# Altium PCB HumiTemPM.PcbDoc (part 1 of 2)
Units mm, origin at the board's own origin, x right, y up, seen from the top; angles counter-clockwise.
Board outline 55.25 x 79.13 mm, 2 copper layers (Top Layer, Bottom Layer); 95 components, 85 nets, 387 pads, 352 vias.
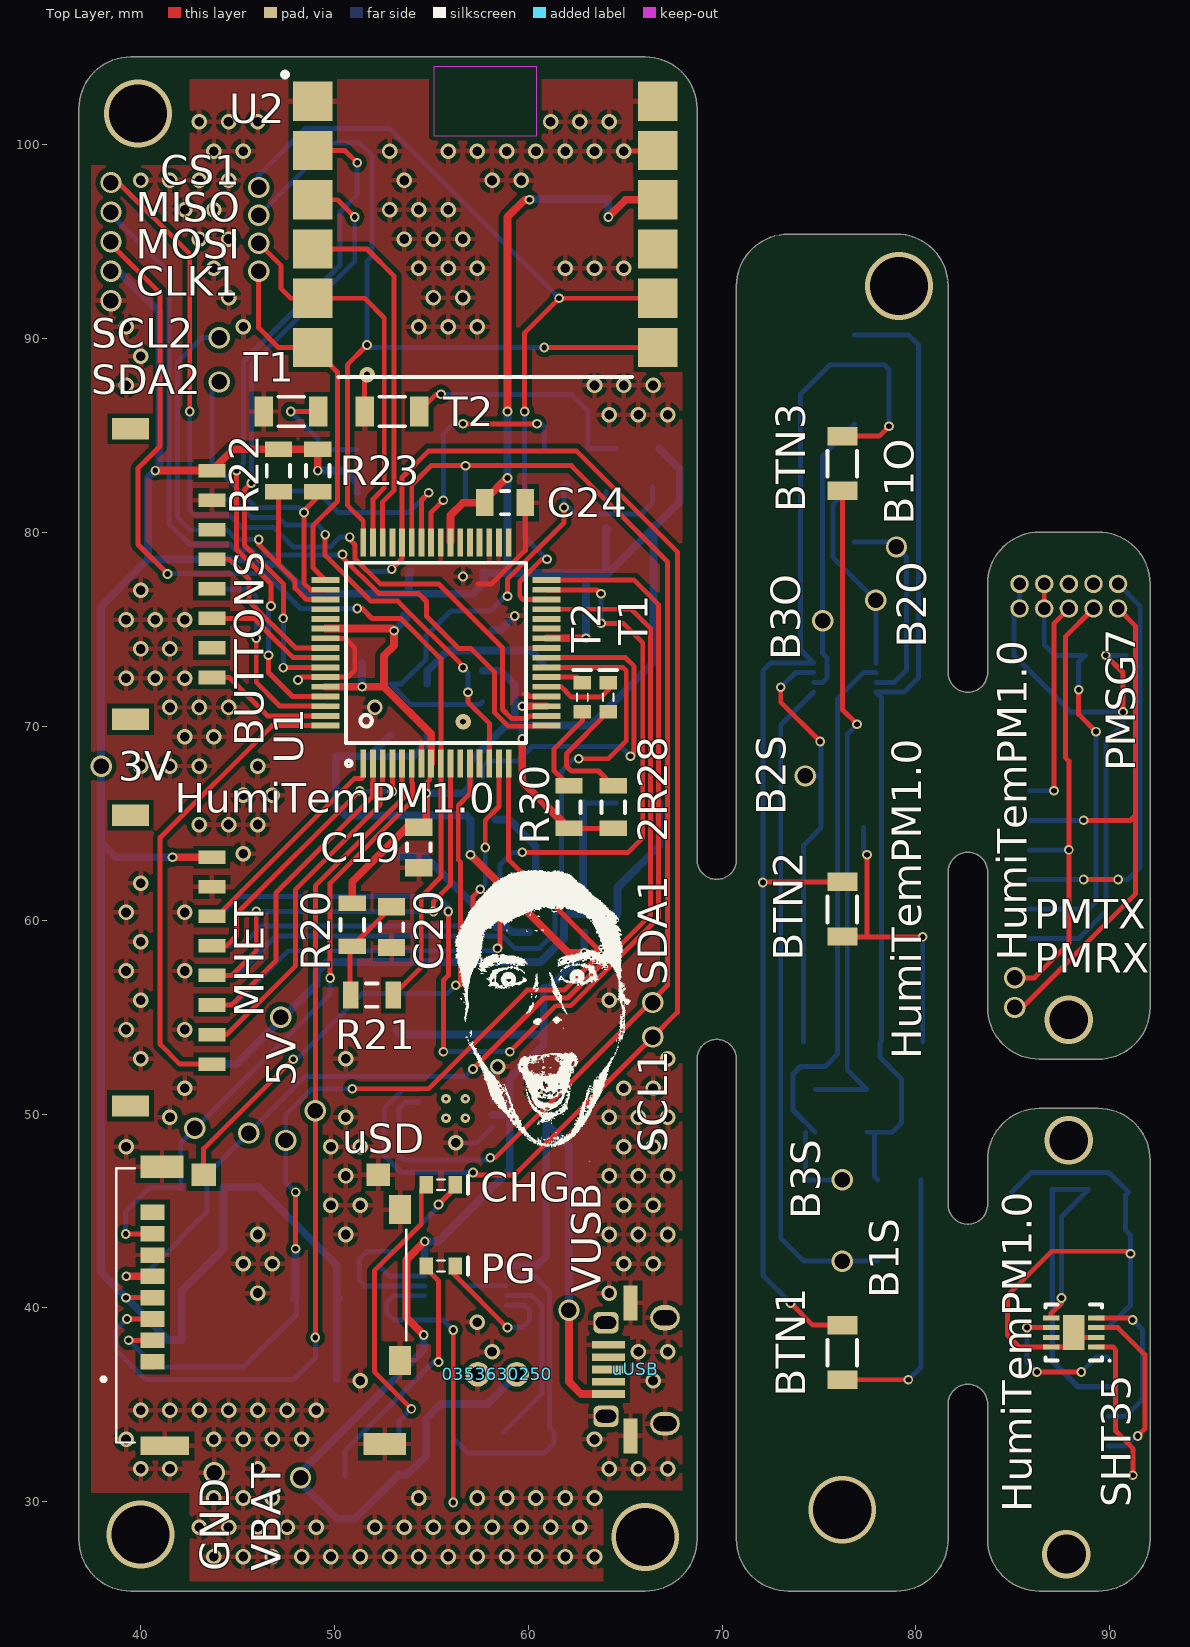
[diagram p0: Top Layer view]
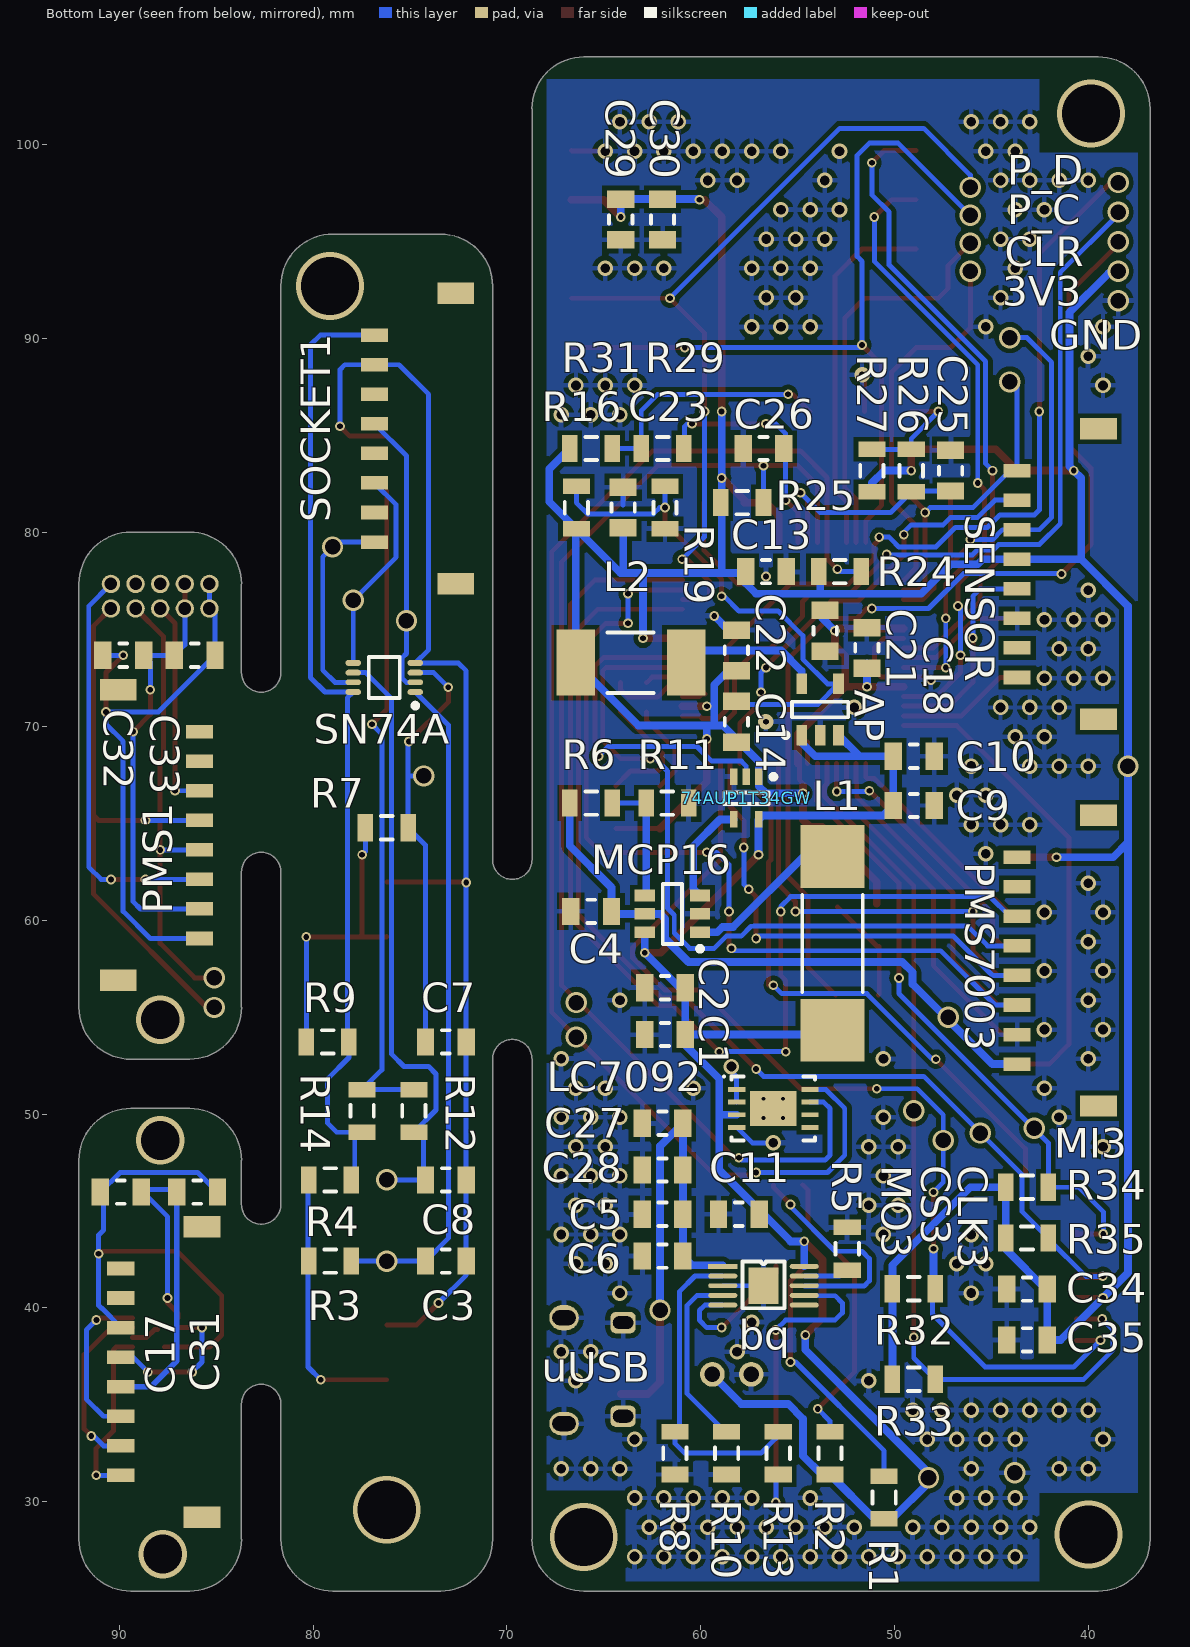
[diagram p1: Bottom Layer view, seen from below]
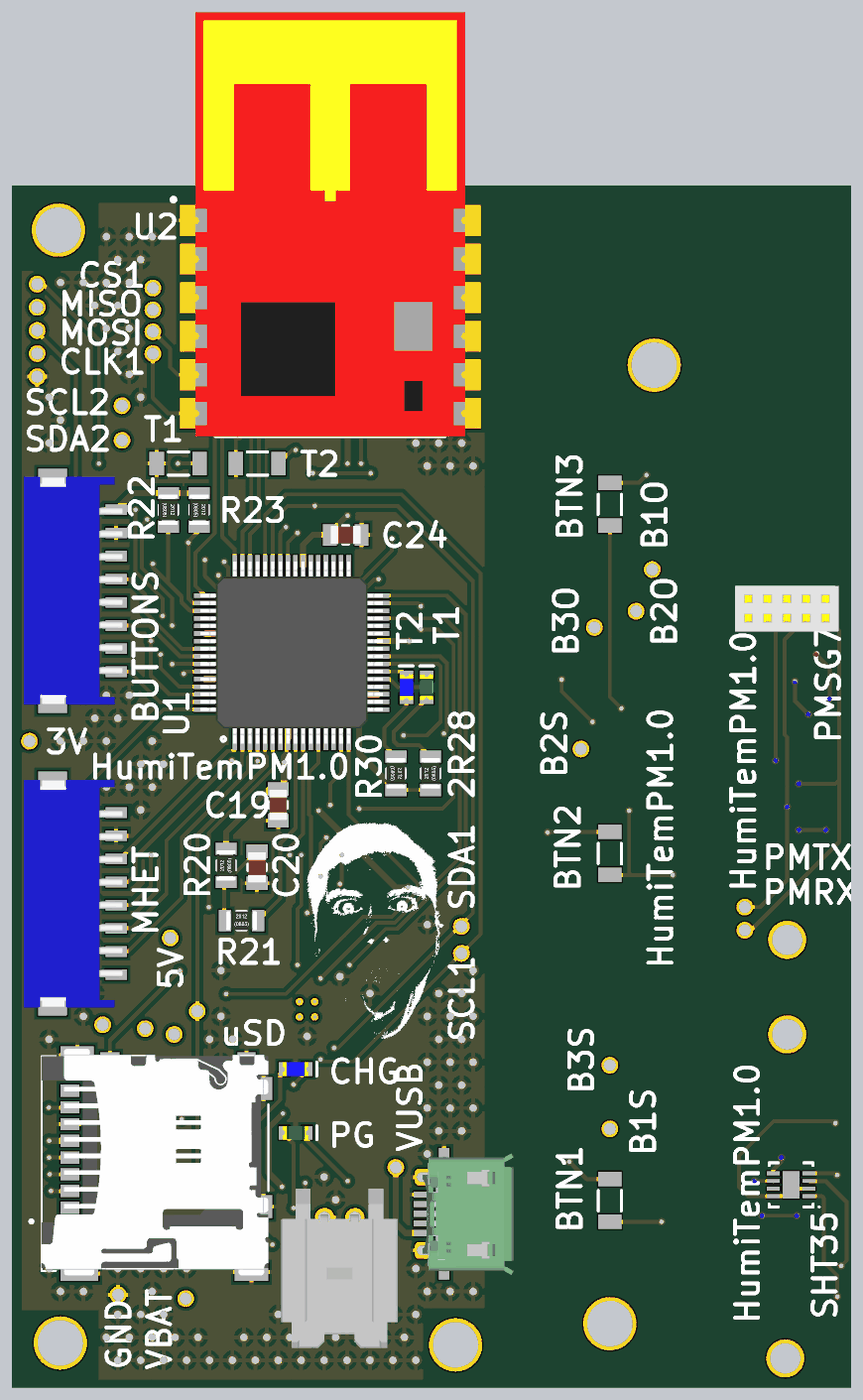
[diagram p3: 3D render of the assembled board from above, using the file's embedded part models]
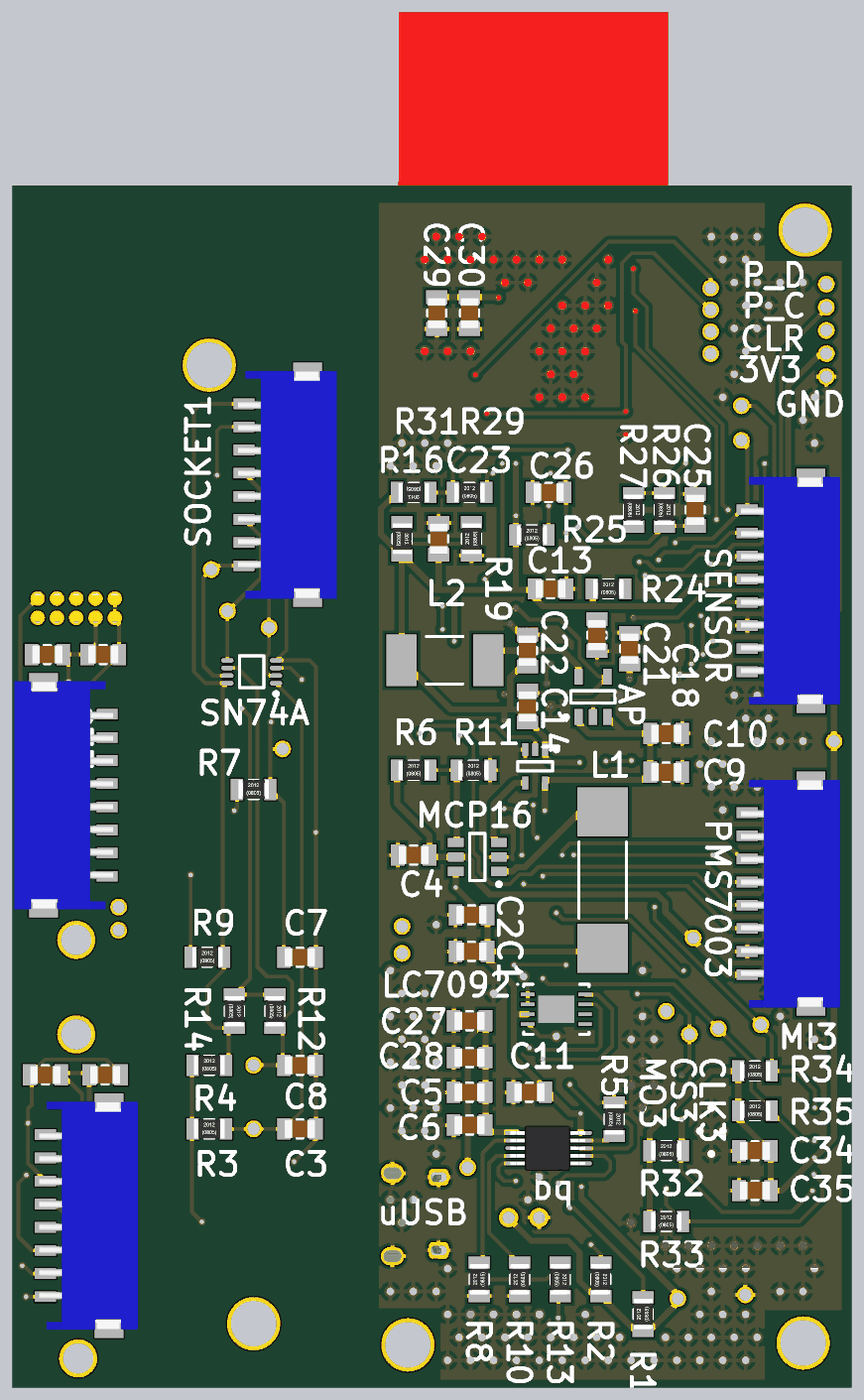
[diagram p4: 3D render of the assembled board from below, using the file's embedded part models]

## Layer stack, top to bottom
Top Solder: solder mask 0.0102, Solder Resist, Dk 3.5
Top Layer: signal copper 0.0356
Dielectric 1: dielectric 0.32, FR-4, Dk 4.8
Bottom Layer: signal copper 0.0356
Bottom Solder: solder mask 0.0102, Solder Resist, Dk 3.5

## Board outline
36.827,28.067 ccw(c39.497,28.067) 39.497,25.397 39.497,25.4 66.04,25.4 66.04,25.397 ccw(c66.04,28.067) 68.71,28.067 68.707,28.067 68.707,52.832 cw(c69.723,52.832) 70.739,52.832 70.739,28.067 70.736,28.07 ccw(c73.406,28.07) 73.406,25.4 78.994,25.4 78.991,25.397 ccw(c78.991,28.067) 81.661,28.067 81.661,35.052 cw(c82.677,35.052) 83.693,35.052 83.693,28.067 83.69,28.07 ccw(c86.36,28.07) 86.36,25.4 89.405,25.4 89.405,25.397 ccw(c89.405,28.067) 92.075,28.067 92.075,47.625 92.078,47.625 ccw(c89.408,47.625) 89.408,50.295 89.408,50.292 86.36,50.292 86.36,50.295 ccw(c86.36,47.625) 83.69,47.625 83.693,47.622 83.693,45.339 cw(c82.677,45.339) 81.661,45.339 81.661,62.484 cw(c82.677,62.484) 83.693,62.484 83.693,55.499 83.69,55.502 ccw(c86.36,55.502) 86.36,52.832 89.405,52.832 89.405,52.829 ccw(c89.405,55.499) 92.075,55.499 92.075,77.343 ccw(c89.405,77.343) 89.405,80.013 89.405,80.01 86.36,80.01 ccw(c86.36,77.34) 83.69,77.34 83.693,77.337 83.693,72.771 cw(c82.677,72.771) 81.661,72.771 81.661,92.71 ccw(c78.991,92.71) 78.991,95.38 78.988,95.377 73.406,95.377 ccw(c73.406,92.707) 70.736,92.707 70.739,92.71 70.739,63.119 cw(c69.723,63.119) 68.707,63.119 68.707,101.854 68.71,101.851 ccw(c66.04,101.851) 66.04,104.521 39.497,104.521 39.5,104.524 ccw(c39.5,101.854) 36.83,101.854

## Design rules (kind name [scope] priority, off if disabled: settings)
Clearance [All] p1: gap=0.254 ignorepadtopadclearanceinfootprint=TRUE except(0: Arc-Text Arc-Hole Track-Text Track-Hole SMDPad-Text SMDPad-Hole THPad-Text THPad-Hole Via-Text Via-Hole Fill-Text Fill-Hole Poly-Text Poly-Hole Region-Text Region-Hole Text-Text Text-Hole; 0.15: Arc-Arc Arc-Track Arc-SMDPad Arc-THPad Track-Track Track-SMDPad Track-THPad SMDPad-SMDPad SMDPad-THPad THPad-THPad; 0.25: SMDPad-Poly SMDPad-Region)
HoleSize [All] p1: absolutevalues=TRUE maxlimit=6.3 minlimit=0.025 maxpercent=80.000 minpercent=20.000
PolygonConnect [All] p1: connectstyle=Relief reliefconductorwidth=0.254 reliefentries=4 polygonreliefangle="90 Angle" airgapwidth=0.254
RoutingVias [All] p1: holewidth=0.3 width=0.5 viastyle="Through Hole" minholewidth=0.3 minwidth=0.5 maxholewidth=6.3 maxwidth=6.3
SolderMaskExpansion [All] p1: expansion=0.102
Width [All] p1: maxlimit=0.4 minlimit=0.21 preferedwidth=0.254
29 further rules are at their usual default settings.

## Components (designator, comment, footprint, x,y, rotation, side; value= is the part's Value field where it differs from the comment)
2R28 "Res" "0805 Res" 64.389,65.829 r90 top value=1K5 (schematic designator R28)
74AUP1T34GW "74AUP1T34GW" 74AUP1T34GW 57.658,66.294 r270 bottom
0353630250 "Molex 0353630250" "Molex 0353630250" 59.404,36.576 r180 top
AP "AP3428A" AP3428A 53.848,70.866 r90 bottom (schematic designator AP3428A)
bq "bq2409x" bq2409x 58.869,42.148 r180 bottom (schematic designator bq2409x)
BTN1 "BUTTON" BUTTON 76.2,38.1 r90 top
BTN2 "BUTTON" BUTTON 76.2,60.96 r90 top
BTN3 "BUTTON" BUTTON 76.2,83.947 r90 top
BUTTONS "BUTTONS SOCKET" S8B-ZR-SM4A-TF 41.529,79.121 r180 top locked (schematic designator "BUTTONS SOCKET")
C1 "Cap" "0805 CAP" 61.849,54.102 r180 bottom value=100n
C2 "Cap" "0805 CAP" 61.849,56.515 r180 bottom value=10u
C3 "Cap" "0805 CAP" 73.152,42.418 r180 bottom value=100n
C4 "Cap" "0805 CAP" 65.659,60.452 r180 bottom value=10u
C5 "Cap" "0805 CAP" 61.976,44.831 r180 bottom value=1u
C6 "Cap" "0805 CAP" 61.976,42.672 r180 bottom value=100n
C7 "Cap" "0805 CAP" 73.152,53.721 r180 bottom value=100n
C8 "Cap" "0805 CAP" 73.152,46.609 r180 bottom value=100n
C9 "Cap" "0805 CAP" 49.022,65.913 r0 bottom value=10u
C10 "Cap" "0805 CAP" 49.022,68.453 r0 bottom value=100n
C11 "Cap" "0805 CAP" 58.039,44.831 r180 bottom value=1u
C13 "Cap" "0805 CAP" 56.642,77.978 r0 bottom value=10u
C14 "Cap" "0805 CAP" 58.166,70.231 r270 bottom value=22p
C17 "Cap" "0805 CAP" 89.916,45.974 r180 bottom value=100n
C18 "Cap" "0805 CAP" 51.435,74.041 r270 bottom value=100n
C19 "Cap" "0805 CAP" 54.356,63.754 r270 top value=100n
C20 "Cap" "0805 CAP" 52.959,59.64 r90 top value=100n
C21 "Cap" "0805 CAP" 53.594,74.93 r90 bottom value=100n
C22 "Cap" "0805 CAP" 58.166,73.914 r90 bottom value=100n
C23 "Cap" "0805 CAP" 64.008,81.28 r90 bottom value=100n
C24 "Cap" "0805 CAP" 58.801,81.534 r180 top value=100n
C25 "Cap" "0805 CAP" 47.117,83.185 r90 bottom value=100n
C26 "Cap" "0805 CAP" 56.769,84.328 r0 bottom value=100n
C27 "Cap" "0805 CAP" 61.976,49.53 r180 bottom value=100n
C28 "Cap" "0805 CAP" 61.976,47.117 r180 bottom value=10u
C29 "Cap" "0805 CAP" 64.135,96.139 r90 bottom value=100n
C30 "Cap" "0805 CAP" 61.976,96.139 r90 bottom value=1u
C31 "Cap" "0805 CAP" 85.979,45.974 r0 bottom value=1u
C32 "Cap" "0805 CAP" 89.789,73.66 r180 bottom value=100n
C33 "Cap" "0805 CAP" 86.106,73.66 r0 bottom value=1u
C34 "Cap" "0805 CAP" 43.18,40.97 r0 bottom value=100n
C35 "Cap" "0805 CAP" 43.18,38.354 r0 bottom value=1u
CHG "LED" "0603 LED-BLUE" 55.499,46.355 r0 top (schematic designator LDB)
L1 "Inductor" INDC11030X40N 53.213,58.801 r270 bottom value=10u
L2 "Inductor" L2.2uH 63.627,73.279 r0 bottom value=2.2uH
LC7092 "LC709203" LC709203 56.261,50.292 r180 bottom (schematic designator LC709203)
MCP16 "MCP1640" MCP1640 61.468,60.325 r0 bottom (schematic designator MCP1640)
MHET "MHET SOCKET" S8B-ZR-SM4A-TF 41.529,59.182 r180 top locked (schematic designator "MHET SOCKET")
PG "LED" "0603 LED-Green" 55.499,42.164 r0 top (schematic designator LDG)
PMS1 "PMS7003 SOCKET" S8B-ZR-SM4A-TF 88.011,65.659 r0 bottom locked
PMS7003 "PMS7003 SOCKET" S8B-ZR-SM4A-TF 41.529,56.642 r180 bottom (schematic designator "PMS7003 SOCKET")
PMSG7 "PMSG7" PMSG7 90.424,76.073 r180 top
R1 "Res" "0805 Res" 50.546,30.226 r90 bottom value=1K5
R2 "Res" "0805 Res" 53.34,32.512 r270 bottom value=1K5
R3 "Res" "0805 Res" 79.121,42.418 r180 bottom value=10K
R4 "Res" "0805 Res" 79.121,46.609 r180 bottom value=10K
R5 "Res" "0805 Res" 52.451,43.053 r270 bottom value=10K
R6 "Res" "0805 Res" 65.659,66.04 r180 bottom value=976
R7 "Res" "0805 Res" 76.2,64.77 r180 bottom value=10K
R8 "Res" "0805 Res" 61.341,32.512 r90 bottom value=540
R9 "Res" "0805 Res" 79.248,53.721 r180 bottom value=10K
R10 "Res" "0805 Res" 58.674,32.512 r90 bottom value=1K
R11 "Res" "0805 Res" 61.722,66.04 r180 bottom value=309
R12 "Res" "0805 Res" 74.803,50.165 r270 bottom value=10K
R13 "Res" "0805 Res" 56.007,32.512 r270 bottom value=0
R14 "Res" "0805 Res" 77.47,50.165 r270 bottom value=10K
R16 "Res" "0805 Res" 66.421,81.28 r270 bottom value=430K
R19 "Res" "0805 Res" 61.849,81.28 r90 bottom value=100K
R20 "Res" "0805 Res" 50.927,59.767 r90 top value=10K
R21 "Res" "0805 Res" 51.943,56.134 r0 top value=1K
R22 "Res" "0805 Res" 47.117,83.185 r270 top value=4K7
R23 "Res" "0805 Res" 49.149,83.185 r270 top value=4K7
R24 "Res" "0805 Res" 52.832,77.978 r180 bottom value=4K7
R25 "Res" "0805 Res" 57.869,81.534 r180 bottom value=4K7
R26 "Res" "0805 Res" 49.149,83.185 r270 bottom value=10K
R27 "Res" "0805 Res" 51.181,83.185 r270 bottom value=10K
R29 "Res" "0805 Res" 61.976,84.328 r180 bottom value=10K
R30 "Res" "0805 Res" 62.103,65.829 r270 top value=1K5
R31 "Res" "0805 Res" 65.659,84.328 r0 bottom value=10K
R32 "Res" "0805 Res" 49.022,40.995 r180 bottom value=10K
R33 "Res" "0805 Res" 49.022,36.322 r180 bottom value=10K
R34 "Res" "0805 Res" 43.18,46.228 r180 bottom value=10K
R35 "Res" "0805 Res" 43.18,43.612 r180 bottom value=10K
SENSOR "SENSOR SOCKET" S8B-ZR-SM4A-TF 41.529,76.581 r180 bottom (schematic designator "SENSOR SOCKET")
"SENSOR SOCKET1" "SENSOR SOCKET" S8B-ZR-SM4A-TF 87.757,35.433 r180 bottom
SHT35 "SHT35" SHT35 88.138,38.735 r180 top
SN74A "" SN74AUP3G17DCUR 76.327,72.517 r0 bottom (schematic designator SN74AUP3G17DCUR)
SOCKET1 "BUTTONS SOCKET" S8B-ZR-SM4A-TF 74.676,83.566 r180 bottom (schematic designator "BUTTONS SOCKET1")
T1 "LED" "0603 LED-Green" 64.135,71.501 r90 top (schematic designator LD_TST_1)
T1 "BUTTON" BUTTON 47.371,86.233 r180 top (schematic designator BTN_TST1)
T2 "LED" "0603 LED-BLUE" 62.796,71.501 r90 top (schematic designator LD_TST_2)
T2 "BUTTON" BUTTON 52.578,86.233 r180 top (schematic designator BTN_TST2)
U1 "PIC32MZ2048EFH064-I/PT" PIC32MZ2048EFH064 55.245,73.787 r90 top locked
U2 "MRF24J40MA" MRF24J40MA 57.785,104.013 r0 top locked
uSD "MOLEX 503182-1852 (MicroSD)" "MOLEX 503182-1852 (MicroSD)" 46.99,40.132 r90 top locked (schematic designator J1)
uUSB "MicroUSB" MicroUSB 56.769,40.005 r90 top locked (schematic designator MicroUSB)

## Footprints (in the part's own frame and the unit in brackets; to place one, negate y for a bottom-side part, rotate by r counter-clockwise, add the part's x,y. Pads: shape width x height; smd on the part's side, far side on the other; paste and mask are expansions set on the pad)
74AUP1T34GW [mm]
  rect 0.85x0.4 smd: 1(-1.1,0.65) 2(-1.1,0) 3(-1.1,-0.65) 4(1.1,-0.65) 5(1.1,0.65)
  silkscreen extent -1.22,-1.15 0.3,1.52, body extent -0.67,-1.12 0.67,1.13, height 1.1
"0603 LED-BLUE" [mm] "LED, Body 1.6x0.8mm, IPC High Density"
  rect 0.7x0.9 smd: 1(-0.75,0) 2(0.75,0)
  silkscreen extent -0.2,-0.45 1.4,0.45, body extent -0.85,-0.45 0.85,0.45, height 0.9
"0603 LED-Green" [mm] "LED, Body 1.6x0.8mm, IPC High Density"
  rect 0.7x0.9 smd: 1(-0.75,0) 2(0.75,0)
  silkscreen extent -0.2,-0.45 1.4,0.45, body extent -0.85,-0.45 0.85,0.45, height 0.9
"0805 CAP" [mm] "Chip Capacitor, 2-Leads, Body 2,00x1,25mm, IPC Medium Density"
  rect 0.9x1.4 smd: 1(-1.05,0) 2(1.05,0)
  silkscreen extent -0.2,-0.6 0.2,0.6, body extent -1,-0.6 1,0.6, height 1.2
"0805 Res" [mm] "Chip Capacitor, 2-Leads, Body 2,0x1,3mm, IPC Medium Density"
  rect 0.8x1.4 smd: 1(-1.1,0) 2(1.1,0)
  silkscreen extent -0.3,-0.6 0.3,0.6, body extent -1,-0.62 1,0.62, height 0.44
AP3428A [mm]
  rect 1.05x0.55 smd: 1(-1.325,0.95) 2(-1.325,0) 3(-1.325,-0.95) 4(1.325,-0.95) 5(1.325,0.95)
  silkscreen extent -1.45,-1.45 0.4,1.9, body extent -0.8,-1.45 0.8,1.45, height 1
bq2409x [mm]
  rect 1.5x0.25 smd: 1(0,0)
  oval 1.5x0.25 smd: 2(0,-0.5) 3(0,-1) 4(0,-1.5) 5(0,-2) 6(4.2,-2) 7(4.2,-1.5) 8(4.2,-1) 9(4.2,-0.5) 10(4.2,0)
  rect 1.57x1.88 smd: 11(2.1,-1)
  silkscreen extent 1.02,-2.16 3.17,0.25, body extent -0.43,-2.5 4.49,0.5, height 0.86
BUTTON [mm]
  rect 0.95x1.55 smd: 1(-1.8,0) 2(1.016,0)
  silkscreen extent -1.08,-0.76 0.25,0.76, body extent -1.9,-1.02 1.14,1.02, height 5.91
INDC11030X40N [mm]
  rect 3.23x3.32 smd: 1(-4.485,0) 2(4.485,0)
  silkscreen extent -2.5,-1.56 2.5,1.56, body extent -5.15,-5.15 5.15,5.15, height 4
L2.2uH [mm]
  rect 2x3.4 smd: 1(-2.87,0) 2(2.83,0)
  silkscreen extent -1.2,-1.56 1.2,1.56, body extent -3.68,-3.3 3.68,3.3, height 3
LC709203 [mm]
  rect 0.9x0.25 smd: 1(-1.89,0.975) 2(-1.89,0.325) 3(-1.89,-0.325) 4(-1.89,-0.975) 5(1.89,-0.975) 6(1.89,-0.325) 7(1.89,0.325) 8(1.89,0.975)
  rect 2.4x1.8 smd: 9(0,0)
  silkscreen extent -2.6,-1.65 2.15,1.7, body extent -2,-1.5 2,1.5, height 0.8
MCP1640 [mm]
  rect 1.05x0.6 smd: 1(-1.425,0.95) 2(-1.425,0) 3(-1.425,-0.95) 4(1.425,-0.95) 5(1.425,0) 6(1.425,0.95)
  silkscreen extent -1.55,-1.55 0.5,1.92, body extent -0.9,-1.55 0.9,1.55, height 1.45
MicroUSB [mm]
  rect 0.4x1.7 smd: 1(-4.445,-7.366) 2(-3.81,-7.366) 3(-3.175,-7.366) 4(-2.54,-7.366) 5(-1.905,-7.366)
  rect 1.8x0.7 smd: 5(-6.604,-8.509) 5(0.254,-8.509)
  rrect100% 1.2x1.524 hole 0.762 slot 1.2 at 90 deg: 5(-5.969,-10.287)
  rrect50% 1.1x1.3 hole 0.65 slot 1.05 at 90 deg: 5(-5.588,-7.239) 5(-0.762,-7.239)
  rrect100% 1.3x1.524 hole 0.762 slot 1.2 at 90 deg: 5(-0.508,-10.287)
  body extent -7.22,-13.12 0.82,-7.08, height 2.8
"MOLEX 503182-1852 (MicroSD)" [mm]
  rect 0.8x1.24 smd: 1(-2.9,6.355) 2(-1.8,6.355) 3(-0.7,6.355) 4(0.4,6.355) 5(1.5,6.355) 6(2.6,6.355) 7(3.7,6.355) 8(4.8,6.355)
  rect 1.16x1.2 smd: DT(6.74,-5.275)
  rect 0.95x2.5 smd: P1(-7.245,5.725)
  rect 1.15x2.2 smd: P2(7.145,5.875) P3(-7.145,-5.605)
  rect 1.5x1.15 smd: P4(-2.84,-6.4) P5(4.94,-6.4)
  rect 1.16x1.25 smd: SW(6.74,3.725)
  silkscreen extent -7.07,-6.73 7.07,8.99, body extent -7.37,-6.71 7.57,8.24, height 1.4
"Molex 0353630250" [mm]
  round 1.27 hole 0.8: 1(0,0) 2(2,0)
  body extent -2.83,-1.91 4.87,8.59, height 5.75
MRF24J40MA [mil] "SM Module; 12 Leads; Body 27.9x17.8x1.7mm (LxWxH), Microchip Recommended"
  rect 80x80 smd paste-159.45 mask+2: 1(-350,-70) 2(-350,-170) 3(-350,-270) 4(-350,-370) 5(-350,-470) 6(-350,-570) 7(350,-570) 8(350,-470) 9(350,-370) 10(350,-270) 11(350,-170) 12(350,-70)
  Top Layer keep-out region: -105,-140 105,-140 105,0 -105,0
  silkscreen extent -411,-630 298,-11, body extent -350,-630 350,470, height 114
PIC32MZ2048EFH064 [mm]
  rect 1.45x0.3 smd: 1(-5.7,3.75) 2(-5.7,3.25) 3(-5.7,2.75) 4(-5.7,2.25) 5(-5.7,1.75) 6(-5.7,1.25) 7(-5.7,0.75) 8(-5.7,0.25) 9(-5.7,-0.25) 10(-5.7,-0.75) 11(-5.7,-1.25) 12(-5.7,-1.75) 13(-5.7,-2.25) 14(-5.7,-2.75) 15(-5.7,-3.25) 16(-5.7,-3.75) 33(5.7,-3.75) 34(5.7,-3.25) 35(5.7,-2.75) 36(5.7,-2.25) 37(5.7,-1.75) 38(5.7,-1.25) 39(5.7,-0.75) 40(5.7,-0.25) 41(5.7,0.25) 42(5.7,0.75) 43(5.7,1.25) 44(5.7,1.75) 45(5.7,2.25) 46(5.7,2.75) 47(5.7,3.25) 48(5.7,3.75)
  rect 0.3x1.45 smd: 17(-3.75,-5.7) 18(-3.25,-5.7) 19(-2.75,-5.7) 20(-2.25,-5.7) 21(-1.75,-5.7) 22(-1.25,-5.7) 23(-0.75,-5.7) 24(-0.25,-5.7) 25(0.25,-5.7) 26(0.75,-5.7) 27(1.25,-5.7) 28(1.75,-5.7) 29(2.25,-5.7) 30(2.75,-5.7) 31(3.25,-5.7) 32(3.75,-5.7) 49(3.75,5.7) 50(3.25,5.7) 51(2.75,5.7) 52(2.25,5.7) 53(1.75,5.7) 54(1.25,5.7) 55(0.75,5.7) 56(0.25,5.7) 57(-0.25,5.7) 58(-0.75,5.7) 59(-1.25,5.7) 60(-1.75,5.7) 61(-2.25,5.7) 62(-2.75,5.7) 63(-3.25,5.7) 64(-3.75,5.7)
  silkscreen extent -5.84,-4.65 4.65,4.65, body extent -6,-6 6,6, height 1.12
PMSG7 [mm]
  round 0.95 / inner round 2.032 / far side round 0.95 hole 0.65: 1(5.08,0) 2(5.08,-1.27) 3(3.81,0) 4(3.81,-1.27) 5(2.54,0) 6(2.54,-1.27) 7(1.27,0) 8(1.27,-1.27) 9(0,0) 10(0,-1.27)
  body extent -0.84,-2.11 5.97,0.89, height 4.2
S8B-ZR-SM4A-TF [mm]
  rect 1.4x0.7 smd: 1(-2.159,6.604) 2(-2.159,5.08) 3(-2.159,3.556) 4(-2.159,2.032) 5(-2.159,0.508) 6(-2.159,-1.016) 7(-2.159,-2.54) 8(-2.159,-4.064)
  rect 1.9x1.1 smd: P1(2.032,-6.223) P2(2.032,8.763)
  body extent -2.56,-6.23 3.94,8.77, height 3.7
SHT35 [mm]
  rect 0.85x0.25 smd: 1(-1.17,0.75) 2(-1.17,0.25) 3(-1.17,-0.25) 4(-1.17,-0.75) 5(1.17,-0.75) 6(1.17,-0.25) 7(1.17,0.25) 8(1.17,0.75)
  rect 1.09x1.8 smd: 9(0,0)
  silkscreen extent -1.9,-1.45 1.45,1.5, body extent -1.3,-1.3 1.3,1.3, height 1
SN74AUP3G17DCUR [mm]
  oval 0.8x0.3 smd: 1(-1.6,0.75) 2(-1.6,0.25) 3(-1.6,-0.25) 4(-1.6,-0.75) 5(1.6,-0.75) 6(1.6,-0.25) 7(1.6,0.25) 8(1.6,0.75)
  silkscreen extent -1.72,-1.05 0.8,1.57, body extent -1.2,-1.05 1.2,1.05, height 0.9

## Part data
2R28 R1 R2 R30: Supplier Part Number 1=RNCP0805FTD1K50CT-ND, Supplier 1=Digi-Key
74AUP1T34GW: Supplier Part Number 1=1727-6030-1-ND, Supplier 1=Digi-Key
0353630250: Supplier Part Number 1=WM12220-ND, Supplier 1=Digi-Key
AP: Supplier Part Number 1=AP3428AKTTR-G1DICT-ND, Supplier 1=Digi-Key
bq: Supplier Part Number 1=296-38875-1-ND, Supplier 1=Digi-Key
BTN1 BTN2 BTN3 T1 T2: Supplier Part Number 1=CKN10779CT-ND, Supplier 1=Digi-Key
BUTTONS MHET PMS1 PMS7003 SENSOR "SENSOR SOCKET1" SOCKET1: Supplier Part Number 1=455-1698-1-ND, Supplier 1=Digi-Key
C1 C3 C6 C7 C8 C10 C17 C18 C19 C20 C21 C22 C23 C24 C25 C26 C27 C29 C32 C34: Supplier Part Number 1=399-1169-1-ND, Supplier 1=Digi-Key
C2 C4 C9 C13 C28: Supplier Part Number 1=490-14661-1-ND, Supplier 1=Digi-Key
C5 C11 C30 C31 C33 C35: Supplier Part Number 1=490-8043-1-ND, Supplier 1=Digi-Key
C14: Supplier Part Number 1=399-1113-1-ND, Supplier 1=Digi-Key
CHG T2: Supplier Part Number 1=160-1827-1-ND, Supplier 1=Digi-Key
L1: Supplier Part Number 1=732-3389-1-ND, Code_IEC=1005, Code_JEITA=0402, LatestRevisionDate=29-May-2009, LatestRevisionNote="IPC-7351 Footprint Added.", PackageDescription="Chip Inductor", PackageReference=0402-A, Published=8-Jun-2000, Publisher="Altium Limited", Supplier 1=Digi-Key
L2: Supplier Part Number 1=308-1569-1-ND, Code_IEC=1005, Code_JEITA=0402, LatestRevisionDate=29-May-2009, LatestRevisionNote="IPC-7351 Footprint Added.", PackageDescription="Chip Inductor", PackageReference=0402-A, Published=8-Jun-2000, Publisher="Altium Limited", Supplier 1=Digi-Key
LC7092: Supplier Part Number 1=LC709203FQH-01TWGOSCT-ND, Supplier 1=Digi-Key
MCP16: Supplier Part Number 1=MCP1640T-I/CHYCT-ND, Supplier 1=Digi-Key
PG T1: Supplier Part Number 1=160-1446-1-ND, Supplier 1=Digi-Key
PMSG7: Supplier Part Number 1=609-3754-ND, Supplier 1=Digi-Key
R3 R4 R5 R7 R9 R12 R14 R20 R26 R27 R29 R31 R32 R33 R34 R35: Supplier Part Number 1=RNCF0805DTE10K0CT-ND, Supplier 1=Digi-Key
R6: Supplier Part Number 1=P976DACT-ND, Supplier 1=Digi-Key
R8: Supplier Part Number 1=P549DACT-ND, Supplier 1=Digi-Key
R10 R21: Supplier Part Number 1=RNCP0805FTD1K00CT-ND, Supplier 1=Digi-Key
R11: Supplier Part Number 1=A110494CT-ND, Supplier 1=Digi-Key
R13: Supplier Part Number 1=RMCF0805ZT0R00CT-ND, Supplier 1=Digi-Key
R16: Supplier Part Number 1=P430KDACT-ND, Supplier 1=Digi-Key
R19: Supplier Part Number 1=TNP100KABCT-ND, Supplier 1=Digi-Key
R22 R23 R24 R25: Supplier Part Number 1=A130138CT-ND, Supplier 1=Digi-Key
SHT35: Supplier Part Number 1=1649-1062-1-ND, Supplier 1=Digi-Key
SN74A: library part SN74AUP3G17DCUR, Supplier Part Number 1=296-25596-1-ND, Supplier 1=Digi-Key
U1: "PIC32MZ Series 2 MB Flash 512 kB RAM 200 MHz 32-Bit Microcontroller - TQFP-64", Package="TQFP-64 Microchip", Supplier Part Number 1=PIC32MZ2048EFH064-I/PT-ND, Availability=Unavailable, MF=Microchip, MP=PIC32MZ2048EFH064-I/PT, Price=None, SnapEDA_Link=https://www.snapeda.com/parts/PIC32MZ2048EFH064-I/PT/Microchip/view-part/?ref=snap, Supplier 1=Digi-Key
U2: "Wireless Transceiver Module", Package="Module Microchip", Supplier Part Number 1=MRF24J40MA-I/RM-ND, Digi-Key_Part_Number=MRF24J40MAT-I/RMTR-ND, Digi-Key_Purchase_URL=https://www.digikey.es/product-detail/en/microchip-technology/MRF24J40MAT-I-RM/MRF24J40MAT-I-RMTR-ND/2002555?utm_source=snapeda&utm_medium=aggregator&utm_campaign=symbol, MF=Microchip, MP=MRF24J40MA, SnapEDA_Link=https://www.snapeda.com/parts/MRF24J40MA/Microchip/view-part/?ref=snap, Supplier 1=Digi-Key
uSD: "MICRO SD NORMAL ULTRALOWPRO8CKTE", Package=None, Supplier Part Number 1=WM12834CT-ND, Digi-Key_Part_Number=WM12834CT-ND, Digi-Key_Purchase_URL=https://www.digikey.es/product-detail/en/molex/5031821852/WM12834CT-ND/5823232?utm_source=snapeda&utm_medium=aggregator&utm_campaign=symbol, MF=Molex, MP=5031821852, SnapEDA_Link=https://www.snapeda.com/parts/5031821852/Molex/view-part/?ref=snap, Supplier 1=Digi-Key
uUSB: Supplier Part Number 1=609-4050-1-ND, Supplier 1=Digi-Key

## Via types
v1: diameter 0.8, hole 0.5, Top Layer to Bottom Layer, tented both sides, 190 vias
v2: diameter 0.5, hole 0.3, Top Layer to Bottom Layer, tented both sides, 118 vias
v3: diameter 1.1, hole 0.8, Top Layer to Bottom Layer, 30 vias
v4: diameter 3.5, hole 3, Top Layer to Bottom Layer, 5 vias
v5: diameter 0.5, hole 0.2, Top Layer to Bottom Layer, 4 vias
v6: diameter 2.5, hole 2, Top Layer to Bottom Layer, 3 vias
v7: diameter 0.8, hole 0.3, Top Layer to Bottom Layer, tented both sides, 2 vias

## Nets (pads, with @x,y where several pads share a name; then routed paths per layer and width w, separated by ;. In a path a pad name is that pad's centre, name@x,y a point inside that pad or via, vN(x,y) a via of type N, cw(c..) or ccw(c..) an arc to the next point about the centre after c; other vN are vias at no path point)
3V3: 2R28.1 74AUP1T34GW.1 BUTTONS.8 C13.2 C14.2 C18.2 C19.1 C21.2 C22.1 C23.1 C24.2 C29.2 C30.2 C34.1 C35.1 L2.2 MHET.8 R16.2 R20.2 R22.1 R23.1 R24.1 R25.1 R27.2 R30.2 R31.2 R32.1 R33.1 R34.1 R35.1 SENSOR.4 U1.8 U1.19 U1.26 U1.39 U1.54 U1.60 U2.10 uSD.4 | length 240.4
  Top Layer w0.254: v2(39.262,40.532) uSD.4@40.635,40.532 ; 54.737,66.959 54.737,67.062 54.922,67.247 54.922,68.014 U1.8@54.995,68.087 ; R30.2@62.103,64.729 2R28.1@64.389,64.729
  Top Layer w0.4: v2(40.767,83.185) BUTTONS.8@43.688,83.185 44.788,84.285 R22.1@47.117,84.285 R23.1@49.149,84.285 v2(49.149,83.185) ; v2(41.656,63.246) MHET.8@43.688,63.246 ; U1.60@49.545,72.037 v2(51.435,72.037) 52.558,72.037 ; U1.54@49.545,75.037 52.979,75.037 v2(53.086,74.93) 53.086,74.168 52.558,73.64 52.558,72.037 ; R20.2@50.927,60.867 50.927,61.976 53.755,64.804 C19.1@54.356,64.804 54.737,65.185 v2(54.737,66.548) 54.737,66.959 ; U1.8@54.995,68.087 54.995,69.6 52.558,72.037 ; U1.39@55.995,79.487 55.995,80.887 56.642,81.534 C24.2@57.751,81.534 ; C24.2@57.751,81.661 58.928,82.838 v2(58.928,82.804) ; v2(58.928,86.233) 58.928,96.266 59.817,97.155 v2(60.071,97.155) ; v2(59.69,69.342) 59.69,67.142 R30.2@62.103,64.729 ; v2(59.69,71.037) U1.19@60.945,71.037 ; U1.26@60.945,74.537 v2(62.98,74.537) ; v2(64.135,96.266) 65.024,97.155 U2.10@66.675,97.155
  Bottom Layer w0.4: v3@38.481,93.345 38.989,93.345 40.989,91.345 40.989,83.407 v2(40.767,83.185) 40.386,82.804 40.386,78.613 ; v2(41.656,63.246) 38.735,63.246 37.973,64.008 ; R35.1@44.28,43.561 44.28,43.044 42.13,40.894 C35.1@42.13,38.354 41.44,38.354 v2(39.262,40.532) 37.973,41.821 37.973,64.008 ; R35.1@44.28,43.612 R34.1@44.28,46.228 46.101,46.228 50.122,42.207 R32.1@50.122,40.995 R32.1@50.122,40.513 ; v2(49.149,83.185) 50.546,83.185 51.181,82.55 R27.2@51.181,82.085 ; R33.1@50.122,36.322 50.122,40.386 R32.1@50.249,40.513 ; v2(51.435,72.037) C18.2@51.435,72.991 C18.2@51.435,73.245 ; v2(53.086,74.93) 53.738,75.582 C21.2@53.594,75.726 ; R24.1@53.932,77.978 53.848,77.894 53.848,76.835 ; v2(54.737,66.548) 56.642,66.548 57.008,66.914 74AUP1T34GW.1@57.008,67.394 57.008,68.184 58.87,70.046 59.309,70.046 ; C22.1@57.658,72.864 C22.1@58.166,72.864 58.581,72.864 59.309,72.136 59.309,71.091 ; 58.928,77.978 v2(58.928,82.804) v2(58.928,86.233) ; v2(59.69,69.342) 59.69,70.046 ; v2(59.69,71.037) 59.309,71.037 59.309,70.046 ; v2(60.071,97.155) 60.105,97.189 C30.2@61.976,97.189 C29.2@64.135,97.189 v2(64.135,96.266) ; v2(62.98,74.537) 62.98,77.909 ; C23.1@64.092,80.146 C23.1@64.008,80.23 64.008,78.051 64.15,77.909 ; R16.2@66.421,80.307 66.457,80.271 R16.2@66.457,80.216 ; R31.2@66.759,84.328 67.818,83.269 67.818,81.577 R16.2@66.457,80.216 ; 37.973,64.008 v3(37.973,67.945) 37.973,76.2 40.386,78.613 ; 40.386,78.613 SENSOR.4@43.688,78.613 45.466,78.613 45.72,78.359 47.117,78.359 48.641,76.835 53.848,76.835 ; 53.848,76.835 57.15,76.835 57.692,77.377 C13.2@57.692,77.978 57.761,77.909 62.98,77.909 ; 59.309,70.046 59.69,70.046 ; 59.69,70.046 63.224,70.046 L2.2@66.457,73.279 R16.2@66.457,80.216 ; 62.98,77.909 64.15,77.909 ; 64.15,77.909 R16.2@66.421,80.18 R16.2@66.457,80.216
  other v3: 38.481,93.472
5V: C4.2 MCP16.5 PMS7003.8 R6.1 | length 31.6
  Bottom Layer w0.4: PMS7003.8@43.688,52.578 44.958,52.578 49.08,56.7 49.08,57.315 49.608,57.843 60.637,57.843 61.849,59.055 61.849,60.071 62.103,60.325 MCP16.5@62.893,60.325 C4.2@64.609,60.325 ; C4.2@64.609,60.452 64.609,61.688 66.759,63.838 R6.1@66.759,66.04
  other v3: 47.244,54.991
5VUSB: bq.1 C5.2 C6.2 C27.2 C28.2 uUSB.1 | length 25.2
  Top Layer w0.4: v3(62.103,39.878) 62.103,36.195 62.738,35.56 uUSB.1@64.135,35.56
  Bottom Layer w0.4: bq.1@58.869,42.198 60.452,42.198 C6.2@60.926,42.672 C5.2@60.926,44.831 C28.2@60.926,47.117 C27.2@60.926,49.53 62.103,48.353 v3(62.103,39.878)
BUTTON1_O: SN74A.7 SOCKET1.8 | length 10.7
  Bottom Layer w0.254: SOCKET1.8@76.835,79.502 78.74,79.502 79.502,78.74 79.502,72.898 78.871,72.267 SN74A.7@77.927,72.267
  other v3: 78.994,79.248
BUTTON1_SIGNAL: C3.1 R3.2 SN74A.1 | length 34.4
  Bottom Layer w0.254: SN74A.1@74.727,71.767 73.025,70.065 73.025,43.595 C3.1@74.202,42.418 R3.2@78.021,42.418
  other v3: 76.2,42.418
BUTTON2_O: SN74A.5 SOCKET1.6 | length 10.7
  Bottom Layer w0.254: SOCKET1.6@76.835,82.55 75.715,81.43 75.715,78.717 v3(77.927,76.505) SN74A.5@77.927,73.267
BUTTON2_SIGNAL: C7.1 R7.2 SN74A.3 | length 22.4
  Top Layer w0.254: v2(73.025,72.009) 73.025,71.247 v2(75.057,69.215)
  Bottom Layer w0.254: v2(73.025,72.009) 73.783,72.767 SN74A.3@74.727,72.767 ; C7.1@74.202,53.721 74.202,63.872 R7.2@75.1,64.77 75.1,67.437 ; v3(74.295,67.437) 75.1,67.437 ; v2(75.057,69.215) 75.1,69.215 75.1,67.437
BUTTON3_O: SN74A.2 SOCKET1.4 | length 14.7
  Bottom Layer w0.254: SN74A.2@74.727,72.267 75.188,72.267 75.404,72.483 75.404,73.537 75.184,73.757 75.184,83.947 SOCKET1.4@76.835,85.598
  other v3: 75.184,75.438
BUTTON3_SIGNAL: C8.1 R12.2 SN74A.6 | length 31.6
  Bottom Layer w0.254: R12.2@74.295,49.065 74.295,46.702 C8.1@74.202,46.609 v3(76.2,46.609) ; R12.2@74.803,49.065 73.66,50.208 73.66,52.07 74.041,52.451 75.311,52.451 75.946,53.086 75.946,71.428 77.285,72.767 SN74A.6@77.927,72.767
GND: 74AUP1T34GW.3 0353630250.2 AP.2 bq.3 bq.11 BUTTONS.7 C1.1 C2.1 C4.1 C5.1 C6.1 C9.1 C10.1 C11.1 C13.1 C18.1 C19.2 C20.1 C21.1 C22.2 C23.2 C24.1 C25.2 C26.2 C27.1 C28.1 C29.1 C30.1 C34.2 C35.2 LC7092.1 LC7092.2 LC7092.4 MCP16.2 MHET.7 PMS7003.7 R5.1 R8.1 R10.1 R11.2 R19.1 SENSOR.6 T1.2@46.355,86.233 T2.2@51.562,86.233 U1.7 U1.20 U1.25 U1.34 U1.35 U1.40 U1.55 U1.59 U2.1 U2.11 U2.12 uSD.6 uSD.DT uSD.P1 uSD.P2 uSD.P3 uSD.P4 uSD.P5 uUSB.5 | length 26.1
  Top Layer w0.254: v2(48.133,72.39) 48.28,72.537 U1.59@49.545,72.537 50.693,72.537 51.054,72.898 51.054,74.041 50.558,74.537 U1.55@49.545,74.537 ; T2.2@51.562,86.233 51.562,88.011 v7(51.689,88.138) ; U1.7@54.495,68.087 54.495,69.203 ; 57.404,77.343 58.118,77.343 59.851,79.076 C24.1@59.851,81.534 ; 59.777,71.668 59.951,71.668 60.082,71.537 U1.20@60.945,71.537 ; v1(64.93,99.66) 66.64,99.66 U2.11@66.675,99.695
  Bottom Layer w0.254: v1(56.261,48.514) 57.348,48.514 LC7092.4@58.151,49.317 ; bq.11@56.769,41.148 bq.3@58.869,41.148 ; LC7092.2@58.151,50.617 LC7092.1@58.151,51.267 58.151,51.928 58.42,52.197 v1(58.42,52.451) ; 64.008,81.407 C23.2@64.008,82.103
  Bottom Layer w0.4: C22.2@58.166,74.964 58.581,74.964 v2(59.309,75.692)
  other v1: 43.79,27.18 45.3,27.18 46.81,27.18 48.32,27.18 49.83,27.18 51.34,27.18 52.85,27.18 54.36,27.18 55.87,27.18 57.38,27.18 58.89,27.18 60.4,27.18 61.91,27.18 63.42,27.18 43.035,28.69 44.545,28.69 46.055,28.69 47.565,28.69 49.075,28.69 52.095,28.69 53.605,28.69 55.115,28.69 56.625,28.69 58.135,28.69 59.645,28.69 61.155,28.69 62.665,28.69 43.79,30.2 45.3,30.2 46.81,30.2 54.36,30.2 57.38,30.2 58.89,30.2 60.4,30.2 61.91,30.2 63.42,30.2 40.015,31.71 41.525,31.71 46.055,31.71 64.175,31.71 65.685,31.71 67.195,31.71 39.26,33.22 43.79,33.22 45.3,33.22 46.81,33.22 48.32,33.22 63.42,33.22 40.015,34.73 41.525,34.73 43.035,34.73 44.545,34.73 46.055,34.73 47.565,34.73 49.075,34.73 51.34,36.24 66.44,36.24 58.135,37.75 65.685,37.75 67.195,37.75 57.38,39.26 46.055,40.77 64.175,40.77 45.3,42.28 46.81,42.28 64.93,42.28 66.44,42.28 46.055,43.79 50.585,43.79 64.175,43.79 65.685,43.79 67.195,43.79 49.83,45.3 51.34,45.3 64.93,45.3 66.44,45.3 50.585,46.81 64.175,46.81 65.685,46.81 67.195,46.81 39.26,48.32 49.83,48.32 51.34,48.32 64.93,48.32 66.44,48.32 41.525,49.83 50.585,49.83 64.175,49.83 65.685,49.83 67.195,49.83 42.28,51.34 60.4,51.34 64.93,51.34 66.44,51.34 40.015,52.85 50.585,52.85 67.195,52.85 39.26,54.36 42.28,54.36 40.015,55.87 64.175,55.87 39.26,57.38 42.28,57.38 40.015,58.89 39.26,60.4 42.28,60.4 40.015,61.91 45.3,63.42 43.035,64.93 44.545,64.93 46.055,64.93 45.3,66.44 46.81,66.44 40.015,67.95 41.525,67.95 43.035,67.95 46.055,67.95 42.28,69.46 43.79,69.46 41.525,70.97 43.035,70.97 44.545,70.97 52.095,70.97 39.26,72.48 40.77,72.48 42.28,72.48 40.015,73.99 41.525,73.99 39.26,75.5 40.77,75.5 42.28,75.5 40.015,77.01 64.175,86.07 65.685,86.07 67.195,86.07 39.26,87.58 63.42,87.58 64.93,87.58 66.44,87.58 40.015,89.09 39.26,90.6 45.3,90.6 54.36,90.6 55.87,90.6 57.38,90.6 44.545,92.11 55.115,92.11 56.625,92.11 43.79,93.62 54.36,93.62 55.87,93.62 57.38,93.62 61.91,93.62 63.42,93.62 64.93,93.62 43.035,95.13 44.545,95.13 53.605,95.13 55.115,95.13 56.625,95.13 42.28,96.64 43.79,96.64 52.85,96.64 54.36,96.64 55.87,96.64 40.015,98.15 41.525,98.15 43.035,98.15 44.545,98.15 53.605,98.15 58.135,98.15 59.645,98.15 43.79,99.66 45.3,99.66 52.85,99.66 55.87,99.66 57.38,99.66 58.89,99.66 60.4,99.66 61.91,99.66 63.42,99.66 43.035,101.17 44.545,101.17 46.055,101.17 61.155,101.17 62.665,101.17 64.175,101.17
  other v2: 56.642,77.724
  other v3: 43.815,31.496 38.481,91.948
  other v7: 56.642,70.231
I2C1_CLK: LC7092.8 R24.2 U1.44 | length 70.5
  Top Layer w0.254: v2(52.959,78.105) 53.495,78.641 U1.44@53.495,79.487 53.495,82.832 54.864,84.201 62.484,84.201 67.691,78.994 67.691,55.245 v3(66.421,53.975) 59.309,46.863 57.277,46.863 v2(57.15,46.99)
  Bottom Layer w0.254: R24.2@51.732,77.978 52.832,77.978 v2(52.959,78.105) ; LC7092.8@54.371,51.267 53.556,51.267 52.585,50.296 52.578,50.296 52.578,47.879 53.467,46.99 v2(57.15,46.99)
I2C1_SDA: LC7092.7 R25.2 U1.43 | length 63.6
  Top Layer w0.254: U1.43@53.995,79.487 53.995,82.443 54.991,83.439 v2(56.769,83.439) 62.23,83.439 67.183,78.486 67.183,56.642 58.293,47.752 v2(58.039,47.752)
  Bottom Layer w0.254: LC7092.7@54.371,50.617 53.665,50.617 53.34,50.292 53.34,47.879 53.598,47.621 57.908,47.621 v2(58.039,47.752) ; R25.2@56.769,81.534 v2(56.769,83.439)
  other v3: 66.421,55.753
I2C2_CLK: R22.2 SENSOR.3 U1.51 | length 24.2
  Top Layer w0.254: v2(46.101,79.629) 46.101,79.375 47.117,78.359 ; R22.2@47.117,82.085 47.117,78.359 ; U1.51@49.545,76.537 48.558,76.537 47.983,77.112 47.983,77.493 47.117,78.359
  Bottom Layer w0.254: v3(44.069,90.043) 43.18,90.043 41.91,88.773 41.91,80.772 42.545,80.137 SENSOR.3@43.688,80.137 44.45,80.137 44.958,79.629 v2(46.101,79.629)
I2C2_SDA: R23.2 SENSOR.1 U1.50 | length 16.9
  Top Layer w0.254: R23.2@49.403,82.085 48.387,81.069 v2(48.433,81.023) 48.433,77.382 48.778,77.037 U1.50@49.545,77.037
  Bottom Layer w0.254: v3(44.069,87.757) 43.815,87.757 43.688,87.63 SENSOR.1@43.688,83.185 43.815,83.058 44.196,83.058 44.327,82.927 44.327,82.924 45.971,81.28 48.176,81.28 v2(48.433,81.023)